# KiCad board sandevistan44_left.kicad_pcb
title: Sandevistan44; date: 2025-05-21; rev: 0.0.1; company: islathehut; note: Left Side
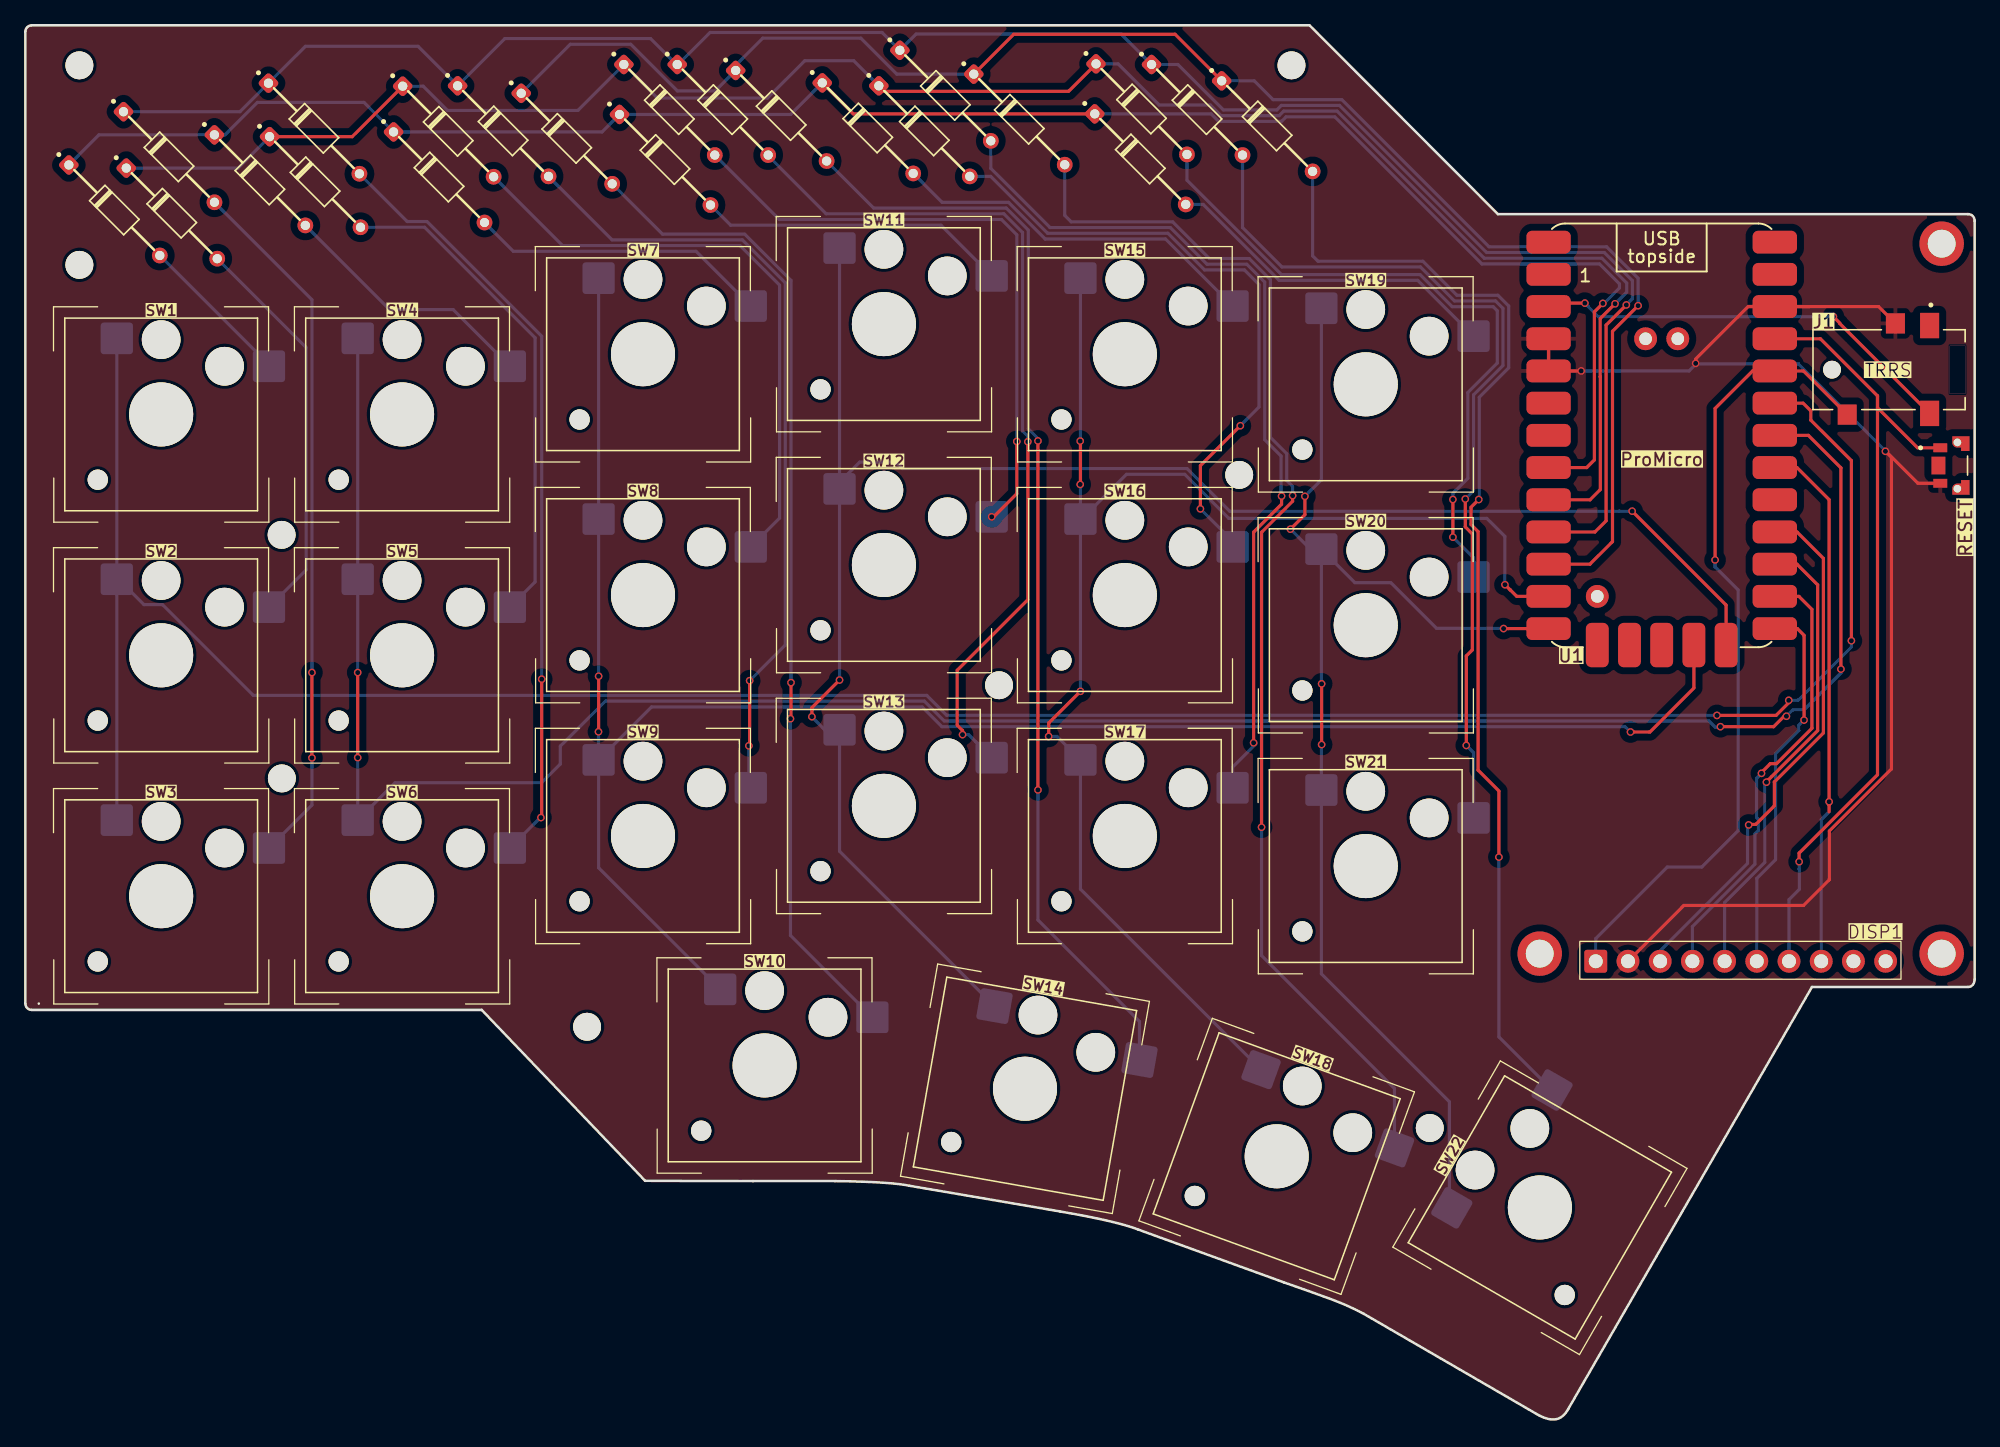
[diagram p0: board, top side]
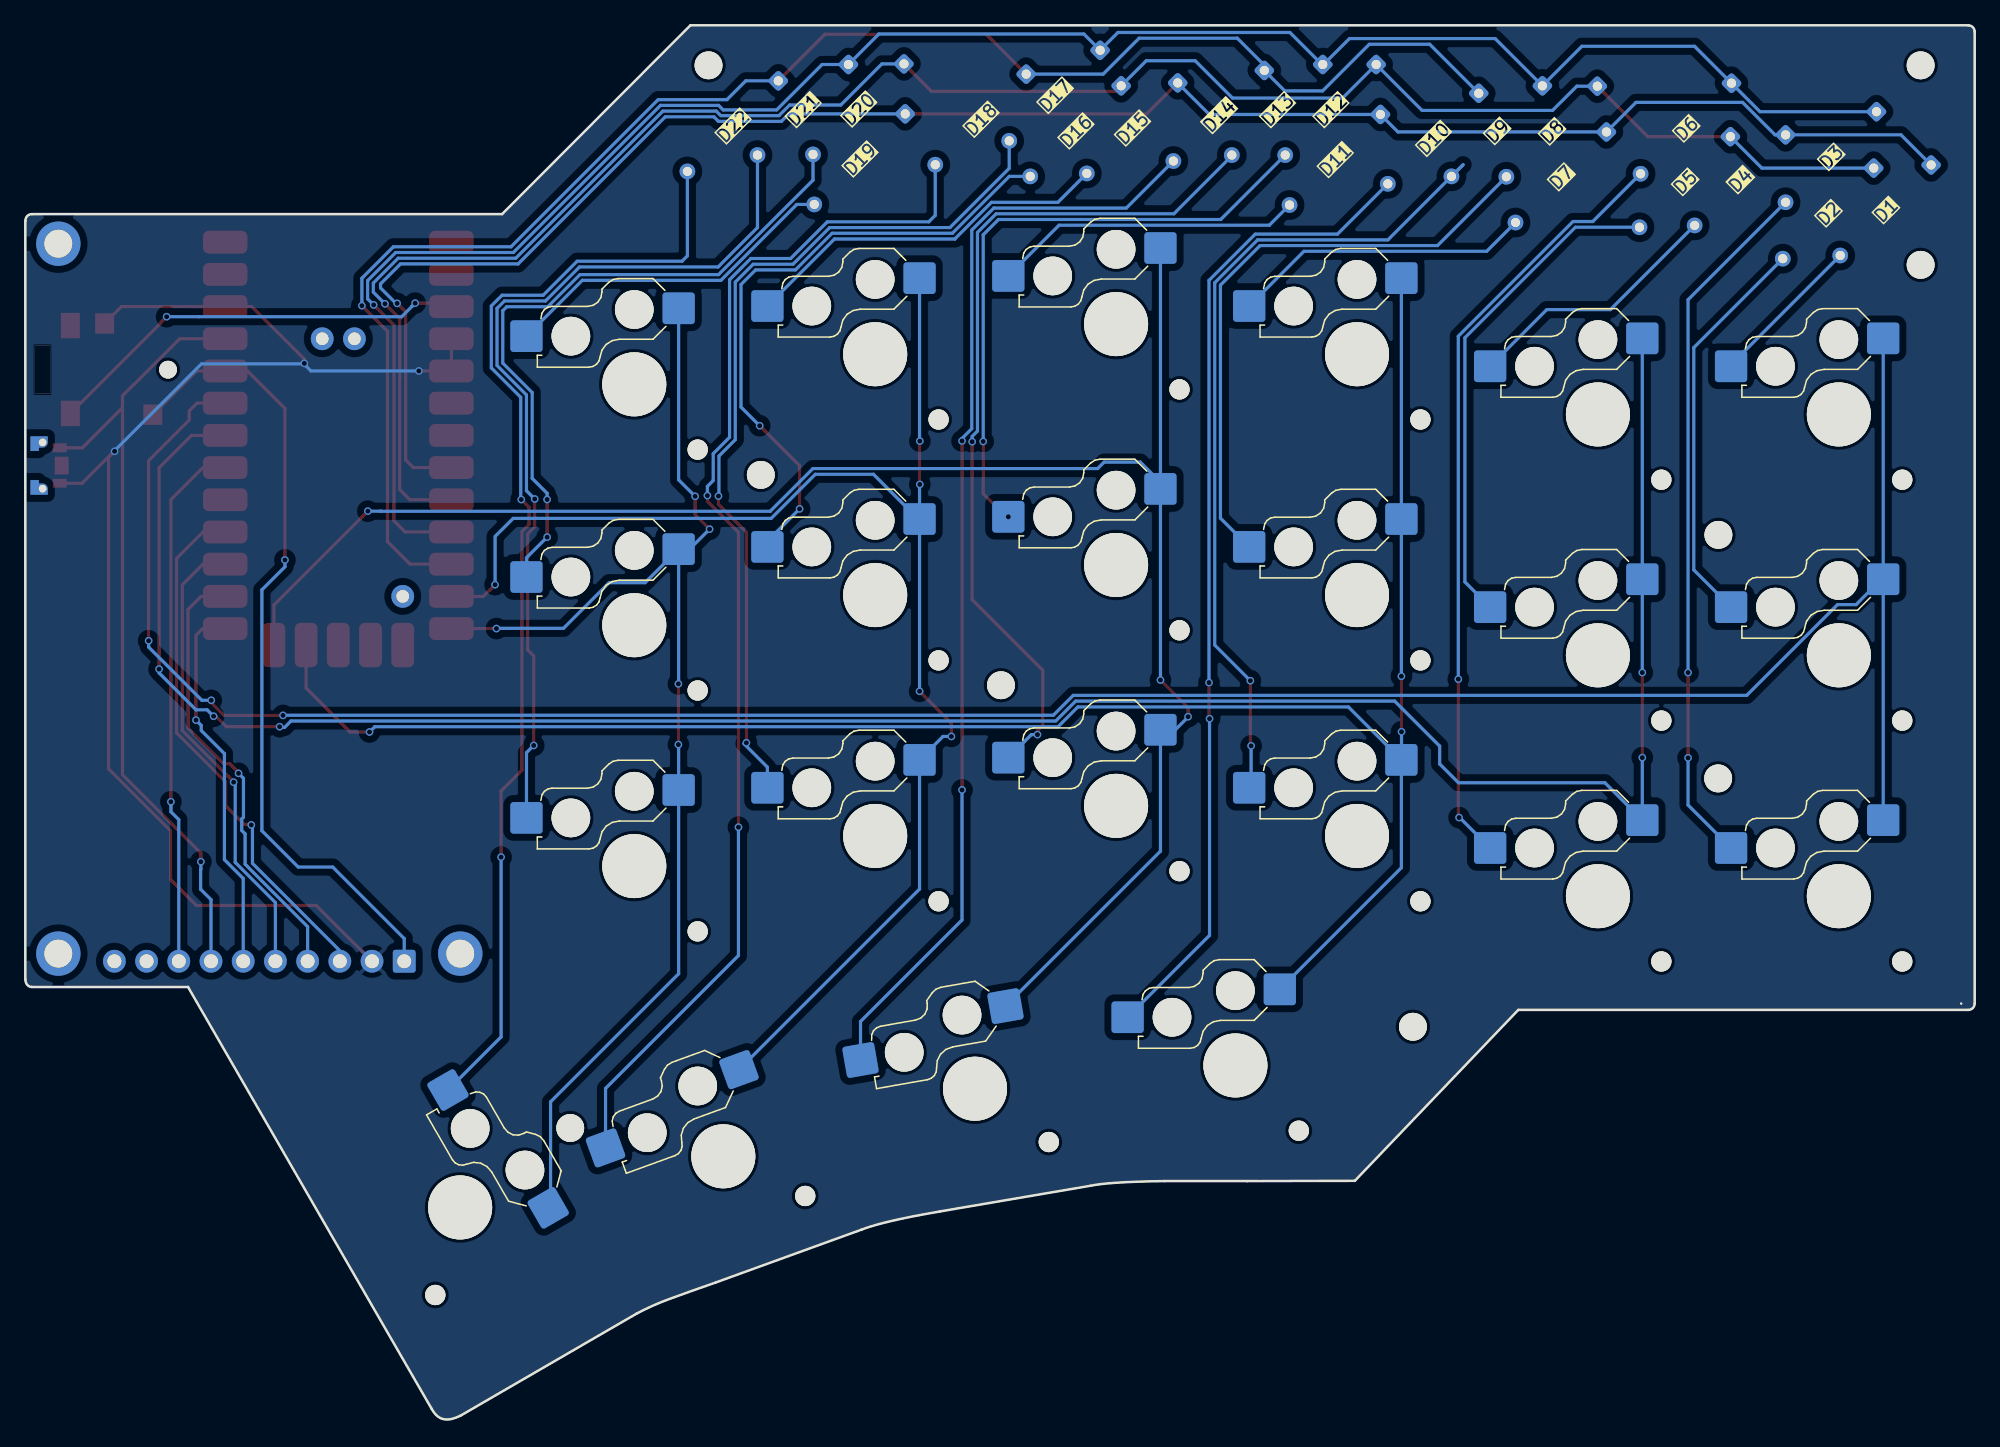
[diagram p1: board, bottom side, seen from below]

Outline 153.73 x 110.14 mm; copper layers: Top, Bottom. Coordinates in mm from the lower left corner of the outline.
Outline path: 0,109.64 0,32.98 ; 0.5,110.14 101.28,110.14 116.13,95.25 153.2,95.25 ; 0.5,32.48 35.99,32.48 48.88,19 57.38,18.98 63.87,18.98 ; 81.62,16.58 69.72,18.61 ; 99.28,10.98 87.77,15.15 ; 119.42,0.47 105.55,8.51 ; 121.69,1.01 140.9,34.29 153.22,34.29 ; 153.73,34.9 153.73,94.71
Stack: Top 0.035mm / dielectric 1.51mm FR4 er 4.5 / Bottom 0.035mm

## Placement (name value [footprint] x y rotation side)
D1  D  [TH 1N4148 Diode (long)]  7.02 95.57 315 top
D2  D  [TH 1N4148 Diode (long)]  11.55 95.32 315 top
D3  D  [TH 1N4148 Diode (long)]  11.33 99.77 315 top
D4  D  [TH 1N4148 Diode (long)]  18.5 97.94 315 top
D5  D  [TH 1N4148 Diode (long)]  22.85 97.8 315 top
D6  D  [TH 1N4148 Diode (long)]  22.76 102.02 315 top
D7  D  [TH 1N4148 Diode (long)]  32.63 98.17 315 top
D8  D  [TH 1N4148 Diode (long)]  33.35 101.78 315 top
D9  D  [TH 1N4148 Diode (long)]  37.68 101.81 315 top
D10  D  [TH 1N4148 Diode (long)]  42.7 101.22 315 top
D11  D  [TH 1N4148 Diode (long)]  50.45 99.55 315 top
D12  D  [TH 1N4148 Diode (long)]  50.79 103.49 315 top
D13  D  [TH 1N4148 Diode (long)]  55 103.49 315 top
D14  D  [TH 1N4148 Diode (long)]  59.61 103.02 315 top
D15  D  [TH 1N4148 Diode (long)]  66.44 102.04 315 top
D16  D  [TH 1N4148 Diode (long)]  70.9 101.81 315 top
D17  D  [TH 1N4148 Diode (long)]  72.55 104.61 315 top
D18  D  [TH 1N4148 Diode (long)]  78.39 102.73 315 top
D19  D  [TH 1N4148 Diode (long)]  87.93 99.6 315 top
D20  D  [TH 1N4148 Diode (long)]  88.03 103.54 315 top
D21  D  [TH 1N4148 Diode (long)]  92.41 103.49 315 top
D22  D  [TH 1N4148 Diode (long)]  97.93 102.2 315 top
DISP1  DFR0664  [DFR0664_2in_RGB_TFT_Display_3_standoff]  105.02 52.33 180 top
J1  TRRS  [CUI_SJ2-35954A-SMT-TR]  146.98 82.98 180 top
Ref**  Val**  [MountingHole_2.2mm_M2_DIN965]  95.73 74.68 0 top
Ref**#2  Val**  [MountingHole_2.2mm_M2_DIN965]  110.76 23.16 0 top
Ref**#3  Val**  [MountingHole_2.2mm_M2_DIN965]  20.23 50.74 0 top
Ref**#4  Val**  [MountingHole_2.2mm_M2_DIN965]  20.21 69.95 0 top
Ref**#5  Val**  [MountingHole_2.2mm_M2_DIN965]  4.26 91.24 0 top
Ref**#6  Val**  [MountingHole_2.2mm_M2_DIN965]  44.3 31.15 0 top
Ref**#7  Val**  [MountingHole_2.2mm_M2_DIN965]  99.85 106.98 0 top
Ref**#8  Val**  [MountingHole_2.2mm_M2_DIN965]  76.79 58.09 0 top
Ref**#9  95.5931  [MountingHole_2.2mm_M2_DIN965]  4.26 106.98 0 top
RESET  SW_PUSH  [SW_TL6340AF160Q]  152.37 75.42 270 top
SW1  SW_PUSH  [SW_Hotswap_Kailh_Choc_V2_1.00u]  10.71 79.45 0 top
SW2  SW_PUSH  [SW_Hotswap_Kailh_Choc_V2_1.00u]  10.71 60.45 0 top
SW3  SW_PUSH  [SW_Hotswap_Kailh_Choc_V2_1.00u]  10.71 41.45 0 top
SW4  SW_PUSH  [SW_Hotswap_Kailh_Choc_V2_1.00u]  29.71 79.45 0 top
SW5  SW_PUSH  [SW_Hotswap_Kailh_Choc_V2_1.00u]  29.71 60.45 0 top
SW6  SW_PUSH  [SW_Hotswap_Kailh_Choc_V2_1.00u]  29.71 41.45 0 top
SW7  SW_PUSH  [SW_Hotswap_Kailh_Choc_V2_1.00u]  48.71 84.2 0 top
SW8  SW_PUSH  [SW_Hotswap_Kailh_Choc_V2_1.00u]  48.71 65.2 0 top
SW9  SW_PUSH  [SW_Hotswap_Kailh_Choc_V2_1.00u]  48.71 46.2 0 top
SW10  SW_PUSH  [SW_Hotswap_Kailh_Choc_V2_1.00u]  58.3 28.1 0 top
SW11  SW_PUSH  [SW_Hotswap_Kailh_Choc_V2_1.00u]  67.71 86.57 0 top
SW12  SW_PUSH  [SW_Hotswap_Kailh_Choc_V2_1.00u]  67.71 67.57 0 top
SW13  SW_PUSH  [SW_Hotswap_Kailh_Choc_V2_1.00u]  67.71 48.57 0 top
SW14  SW_PUSH  [SW_Hotswap_Kailh_Choc_V2_1.00u]  78.84 26.26 350 top
SW15  SW_PUSH  [SW_Hotswap_Kailh_Choc_V2_1.00u]  86.71 84.2 0 top
SW16  SW_PUSH  [SW_Hotswap_Kailh_Choc_V2_1.00u]  86.71 65.2 0 top
SW17  SW_PUSH  [SW_Hotswap_Kailh_Choc_V2_1.00u]  86.71 46.2 0 top
SW18  SW_PUSH  [SW_Hotswap_Kailh_Choc_V2_1.00u]  98.69 20.93 340 top
SW19  SW_PUSH  [SW_Hotswap_Kailh_Choc_V2_1.00u]  105.71 81.82 0 top
SW20  SW_PUSH  [SW_Hotswap_Kailh_Choc_V2_1.00u]  105.71 62.82 0 top
SW21  SW_PUSH  [SW_Hotswap_Kailh_Choc_V2_1.00u]  105.71 43.82 0 top
SW22  SW_PUSH  [SW_Hotswap_Kailh_Choc_V2_1.25u]  119.44 16.9 60 top
U1  ProMicro  [Helios_AC]  129.05 76.53 0 top

## Library data of the parts
D1-D22 = -: Description: Diode; Sim.Pins: 1=K 2=A; ki_fp_filters: TO-???* *_Diode_* *SingleDiode* D_*
DISP1 = -: Description: Generic connector, single row, 01x10, script generated (kicad-library-utils/schlib/autogen/connector/); ki_fp_filters: Connector*:*_1x??_*
J1 = -: MF: Same Sky; MAXIMUM_PACKAGE_HEIGHT: 5 mm; Package: None; Price: None; Check_prices: https://www.snapeda.com/parts/SJ2-35954A-SMT-TR/Same+Sky/view-part/?ref=eda; STANDARD: Manufacturer Recommendations; PARTREV: 1.04; SnapEDA_Link: https://www.snapeda.com/parts/SJ2-35954A-SMT-TR/Same+Sky/view-part/?ref=snap; MP: SJ2-35954A-SMT-TR; Description_1: 3.5 mm, Stereo, Right Angle, Surface Mount (SMT), 4 Conductors, 0 Internal Switches, Audio Jack Connector; Availability: In Stock; MANUFACTURER: CUI Devices
RESET = -: PARTREV: 10.23.2019; STANDARD: Manufacturer Recommendations; SNAPEDA_PN: TL6340AF160Q; MAXIMUM_PACKAGE_HEIGHT: 1.55mm; MANUFACTURER: E-Swtich
U1 = -: Datasheet: https://github.com/0xCB-dev/0xCB-Helios; Description: Symbol for an 0xCB Helios

## Footprints (pads in the part's own frame, mm; a bottom-side part is the same pattern mirrored in y, then rotated)
CUI_SJ2-35954A-SMT-TR
  round 1.4 hole 1.4 unplated: (4.5,0)
  rect 1.5x2 smd: 1(-3.2,-3.48) 4(-3.2,3.45)
  rect 1.5x1.6 smd: 2(3.3,3.55) 3(-0.5,-3.65)
DFR0664_2in_RGB_TFT_Display_3_standoff
  rrect 1.8x1.8 hole 1.1: 1(-18.83,16.01)
  round 1.8 hole 1.1: 2(-21.37,16.01) 3(-23.91,16.01) 4(-26.45,16.01) 5(-28.99,16.01) 6(-31.53,16.01) 7(-34.07,16.01) 8(-36.61,16.01) 9(-39.15,16.01) 10(-41.69,16.01)
  round 3.5 hole 2.2: NPTH(-46.11,15.41) NPTH(-46.11,-40.59) NPTH(-14.41,15.41)
Helios_AC
  rrect 3.5x1.8 smd: 1(-8.92,13.97) 2(-8.92,11.43) 3(-8.92,8.89) 4(-8.92,6.35) 5(-8.92,3.81) 6(-8.92,1.27) 7(-8.92,-1.27) 8(-8.92,-3.81) 9(-8.92,-6.35) 10(-8.92,-8.89) 11(-8.92,-11.43) 12(-8.92,-13.97) 13(8.92,13.97) 14(8.92,11.43) 15(8.92,8.89) 16(8.92,6.35) 17(8.92,3.81) 18(8.92,1.27) 19(8.92,-1.27) 20(8.92,-3.81) 21(8.92,-6.35) 22(8.92,-8.89) 23(8.92,-11.43) 24(8.92,-13.97) 30(8.92,16.51) 31(-8.92,16.51)
  rrect 1.8x3.5 smd: 25(-5.08,-15.27) 26(-2.54,-15.27) 27(0,-15.27) 28(2.54,-15.27) 29(5.08,-15.27)
  round 1.8 hole 1: 32(-1.27,8.89) 33(1.27,8.89) 34(-5.08,-11.43)
MountingHole_2.2mm_M2_DIN965
  round 2.2 hole 2.2 unplated: (0,0)
SW_Hotswap_Kailh_Choc_V2_1.00u
  round 1.6 hole 1.6 unplated: (-5,-5.15)
  round 3.05 hole 3.05 unplated: (0,5.9) (5,3.8)
  round 5.05 hole 5.05 unplated: (0,0)
  rrect 2.55x2.5 smd far side: 1(-3.5,6) 2(8.5,3.8)
SW_Hotswap_Kailh_Choc_V2_1.25u
  round 1.6 hole 1.6 unplated: (-5,-5.15)
  round 3.05 hole 3.05 unplated: (0,5.9) (5,3.8)
  round 5.05 hole 5.05 unplated: (0,0)
  rrect 2.55x2.5 smd far side: 1(-3.5,6) 2(8.5,3.8)
SW_TL6340AF160Q
  rect 0.7x1.1 smd: 1(-1.4,-1.35) 2(1.4,-1.35)
  custom 1.16x1.36 hole 0.6: SH1(-1.825,0) SH2(1.825,0)
  rect 1.4x1.1 smd: SH3(0,-1.5)
TH 1N4148 Diode (long)
  rrect 1.238x1.238 hole 0.73: 1(-5.053,-0.02)
  round 1.238 hole 0.73: 2(5.07,0)

## Nets
GND: DISP1.2 J1.3 RESET.2 U1.3 U1.4 U1.14
VCC: DISP1.1 J1.2 U1.16
col0: SW1.1 SW2.1 SW3.1 U1.17
col1: SW4.1 SW5.1 SW6.1 U1.18
col2: SW7.1 SW8.1 SW9.1 SW10.1 U1.28
col3: SW11.1 SW12.1 SW13.1 SW14.1 U1.29
col4: SW15.1 SW16.1 SW17.1 SW18.1 U1.11
col5: SW19.1 SW20.1 SW21.1 SW22.1 U1.12
data: J1.4 U1.2
GPIO_AD1: U1.20
GPIO_AD2: DISP1.8 U1.19
MISO: DISP1.5 U1.22
MOSI: DISP1.4 U1.23
reset: DISP1.7 RESET.1 U1.15
row0: D1.1 D4.1 D7.1 D11.1 D15.1 D19.1 U1.7
row1: D2.1 D5.1 D8.1 D12.1 D16.1 D20.1 U1.8
row2: D3.1 D6.1 D9.1 D13.1 D17.1 D21.1 U1.9
row3: D10.1 D14.1 D18.1 D22.1 U1.10
SCL: U1.6
SCLK: DISP1.3 U1.21
SDA: U1.5
SPI_CS: DISP1.6 U1.24
Net-(D1-A): D1.2 SW1.2
Net-(D2-A): D2.2 SW2.2
Net-(D3-A): D3.2 SW3.2
Net-(D4-A): D4.2 SW4.2
Net-(D5-A): D5.2 SW5.2
Net-(D6-A): D6.2 SW6.2
Net-(D7-A): D7.2 SW7.2
Net-(D8-A): D8.2 SW8.2
Net-(D9-A): D9.2 SW9.2
Net-(D10-A): D10.2 SW10.2
Net-(D11-A): D11.2 SW11.2
Net-(D12-A): D12.2 SW12.2
Net-(D13-A): D13.2 SW13.2
Net-(D14-A): D14.2 SW14.2
Net-(D15-A): D15.2 SW15.2
Net-(D16-A): D16.2 SW16.2
Net-(D17-A): D17.2 SW17.2
Net-(D18-A): D18.2 SW18.2
Net-(D19-A): D19.2 SW19.2
Net-(D20-A): D20.2 SW20.2
Net-(D21-A): D21.2 SW21.2
Net-(D22-A): D22.2 SW22.2

Pads without a net: DISP1 9 10 NPTH; J1 1; RESET SH1 SH2 SH3; U1 1 13 25 26 27 30 31 32 33 34

## Via types
v1: diameter 0.6, hole 0.4, Top to Bottom, 66 vias

## Routing (per net, layer and track width the routed paths; a pad name or vN(x,y) marks a point on that pad's centre or on a via; arc(x,y) is an arc through that point)
GND: length 112.8
  Top w0.25: U1.3 U1.4 122.7,82.88 v1(122.7,82.88) ; U1.14 146.15,87.96 J1.3 ; RESET.2 149.26,74.02 146.74,76.54 v1(146.69,76.54) 147.17,76.06 147.17,51.49 142.27,46.59 142.27,42.75 140.24,40.72 130.79,40.72 126.8,36.73 ; 140.73,87.96 135.87,87.96 131.73,83.82 v1(131.73,83.47)
  Bottom w0.25: 146.74,76.54 v1(146.69,76.54) 146.69,76.58 139.84,83.44 131.77,83.44 ; v1(131.73,83.47) 131.73,83.4 131.21,82.88 v1(122.7,82.88)
VCC: length 63
  Top w0.25: J1.2 140.23,82.88 U1.16 136.22,82.88 133.26,79.92 v1(133.26,67.97)
  Bottom w0.25: v1(133.26,67.97) 133.26,67.43 135.08,65.61 135.08,46.62 132.21,43.75 129.49,43.75 123.85,38.11 123.85,36.95
col0: length 204.5
  Top w0.25: U1.17 140.2,80.34 140.81,79.72 140.81,79 144.01,75.8 v1(144.01,61.6) ; v1(133.41,55.71) 138.07,55.71 139.07,56.71 v1(139.07,56.9)
  Bottom w0.25: v1(133.41,55.71) 133.4,55.72 72.66,55.72 71.09,57.29 17.97,57.29 10.81,64.45 9.35,64.45 7.35,66.45 ; v1(139.07,56.9) 139.81,56.9 144.01,61.1 v1(144.01,61.6) ; SW1.1 SW3.1
col1: length 184.8
  Top w0.25: v1(26.21,52.38) v1(26.21,59.09) ; v1(133.68,54.82) 137.88,54.82 138.7,55.64 v1(138.89,55.64) ; U1.18 140.62,77.8 143.19,75.23 v1(143.19,59.36)
  Bottom w0.25: v1(143.19,59.36) 143.19,59.06 140.27,56.15 139.39,56.15 v1(138.89,55.64) ; v1(26.21,59.09) SW5.1 SW4.1 ; v1(26.21,52.38) SW6.1 29.16,50.4 40.71,50.4 42.19,51.88 42.19,53.29 45.74,56.84 70.9,56.84 72.47,55.27 132.78,55.27 133.29,54.76 133.62,54.76 v1(133.68,54.82)
col2: length 153.8
  Top w0.25: v1(126.59,54.4) 128.12,54.4 131.59,57.87 U1.28 ; v1(45.2,54.42) 45.21,54.43 v1(45.21,58.8)
  Bottom w0.25: SW10.1 45.21,43.69 SW9.1 49.39,56.37 70.73,56.37 72.28,54.82 126.17,54.82 v1(126.59,54.4) ; SW7.1 SW8.1 v1(45.21,58.8) ; v1(45.2,54.42) 45.2,52.21
col3: length 146.5
  Top w0.25: v1(126.72,71.82) 134.13,64.41 U1.29 ; 62.03,55.63 v1(62.03,55.61) 62.03,56.32 v1(64.21,58.5)
  Bottom w0.25: 62.05,55.56 63.03,54.57 SW13.1 64.21,45 SW14.1 ; 126.64,71.9 v1(126.72,71.82) 125.71,71.82 125.7,71.81 94.99,71.81 91.62,75.18 69.16,75.18 68.65,75.69 65.8,75.69 64.21,74.1 SW12.1 ; SW12.1 v1(64.21,58.5) 64.14,58.43 ; SW12.1 SW11.1
col4: length 115.3
  Top w0.25: v1(83.21,57.61) 80.71,55.11 80.71,54.06 v1(80.7,54.05) ; v1(83.19,73.93) 83.21,73.95 83.21,77.33 v1(83.19,77.35) ; U1.11 117.62,65.1 117.1,65.61 117.09,65.61 v1(116.69,66.02)
  Bottom w0.25: 83.31,71.2 86.84,74.73 91.43,74.73 94.91,71.25 115.26,71.25 116.68,69.83 116.68,66.12 116.69,66.11 v1(116.69,66.02) ; v1(83.21,57.61) SW16.1 83.21,73.91 v1(83.19,73.93) ; v1(83.19,77.35) 83.21,77.37 SW15.1 ; SW18.1 83.21,42.01 SW17.1 81.36,54.05 v1(80.7,54.05)
col5: length 97.2
  Top w0.25: v1(99.77,70.4) 100.91,71.54 v1(100.91,72.99) ; v1(102.23,58.2) v1(102.23,53.41) ; v1(116.58,62.56) 116.95,62.56 116.95,62.56 U1.12
  Bottom w0.25: v1(102.23,58.2) 102.21,58.22 SW20.1 104.86,66.18 107.69,66.18 111.29,62.58 116.56,62.58 v1(116.58,62.56) ; v1(102.23,53.41) 102.21,53.39 102.21,35.33 112.31,25.23 112.31,17.05 ; v1(100.91,72.99) 102.21,74.29 SW19.1 ; v1(99.77,70.4) 101.34,68.82
data: length 33.4
  Top w0.25: v1(122.99,88.23) 120.4,88.23 ; v1(142.59,87.16) 143.09,86.66 143.09,86.62 J1.4
  Bottom w0.25: v1(142.59,87.16) 140.05,87.16 140.05,87.16 124.05,87.16 123.25,87.96 123.25,87.97 v1(122.99,88.23)
GPIO_AD2: length 42.8
  Top w0.25: U1.19 139.72,75.26 142.25,72.72 v1(142.25,48.9) 142.25,48.65 142.25,48.65 142.25,48.11
  Bottom w0.25: DISP1.8 141.63,47.49 142.25,48.11 142.25,48.65 142.25,48.65 v1(142.25,48.9)
MISO: length 36
  Top w0.25: 137.46,50.62 137.48,50.62 137.48,50.64 141.35,54.51 141.35,66 139.72,67.64 U1.22
  Bottom w0.25: v1(137.31,50.44) 137.18,50.31 137.18,44.12 134.01,40.95 134.01,36.91
MOSI: length 34.8
  Top w0.25: v1(136.92,51.14) 136.92,51.21 137.61,51.9 138.1,51.9 140.9,54.7 140.9,64.07 139.87,65.1 U1.23
  Bottom w0.25: 131.47,36.91 131.47,39.04 136.4,43.97 136.4,46.37 136.67,46.64 136.67,47.54 136.53,47.68 136.53,50.75 v1(136.92,51.14)
reset: length 64.1
  Top w0.25: 146.07,80.91 146.07,51.03 139.89,44.85 v1(139.89,44.17) ; 146.07,80.91 141.57,85.42 U1.15 ; 146.07,80.91 146.07,79.98 149.23,76.82 RESET.1
  Bottom w0.25: 139.09,36.91 139.09,41.18 139.91,42 139.91,43.57 139.89,43.59 v1(139.89,44.17)
row0: length 152.4
  Top w0.25: D19.1 65.29,103.16 D15.1 ; U1.7 123.14,75.26 123.74,75.86 123.74,87.54 v1(124.41,88.21)
  Bottom w0.25: D15.1 60.36,103.11 D11.1 45.48,101.73 D7.1 26.71,104.06 18.3,104.06 15.74,101.5 D4.1 5.8,101.5 D1.1 ; v1(124.41,88.21) 124.5,88.21 125.72,89.43 125.72,89.74 124.15,91.32 114.87,91.32 103.26,102.92 99.43,102.92 99.07,102.56 94.11,102.56 93.52,103.16 D19.1
row1: length 156.5
  Top w0.25: U1.8 123.4,72.72 124.21,73.53 124.21,82.41 124.2,82.42 124.2,87.01 v1(125.37,88.18) ; D8.1 25.78,101.36 D5.1 ; D16.1 67.75,104.93 82.27,104.93 D20.1
  Bottom w0.25: D20.1 86.18,107.1 89.42,103.86 93.45,103.86 94.29,103.02 98.88,103.02 99.24,103.37 103.45,103.37 115.06,91.77 124.33,91.77 126.29,89.81 126.29,89.09 v1(125.37,88.18) ; D2.1 16.78,98.88 D5.1 ; D8.1 31.38,105.34 33.29,103.43 43.58,103.43 D12.1 49.84,104.41 58.53,104.41 61.47,107.35 65.33,107.35 D16.1
row2: length 160.1
  Top w0.25: v1(126.26,88.09) 124.66,86.49 124.66,71.06 123.78,70.18 U1.9
  Bottom w0.25: v1(126.26,88.09) 126.74,88.57 126.74,90 124.52,92.22 115.24,92.22 103.64,103.83 99.05,103.83 98.7,103.47 94.48,103.47 90.9,107.05 D21.1 86.41,109.46 70.25,109.46 D17.1 67.56,109.58 54,109.58 51.41,106.99 49.3,109.1 37.82,109.1 D9.1 30.97,108.49 22.09,108.49 D6.1 16.93,103.33 D3.1
row3: length 130.6
  Top w0.25: D22.1 90.67,109.44 77.95,109.44 D18.1 ; U1.10 123.39,67.64 125.17,69.42 125.17,86.01 v1(127.19,88.03)
  Bottom w0.25: D14.1 54.41,104.97 51.42,104.97 47.74,108.65 42.97,108.65 D10.1 ; D18.1 68.73,106.29 65.89,109.13 58.15,109.13 56.02,106.99 ; D22.1 96.92,105.76 98.4,104.28 103.83,104.28 115.43,92.67 124.71,92.67 127.19,90.19 v1(127.19,88.03)
SCLK: length 41.6
  Top w0.25: v1(135.91,47.07) 135.95,47.11 136.47,47.11 137.94,48.58 137.94,50.45 137.93,50.45 141.8,54.32 141.8,68.09 139.72,70.18 U1.21
  Bottom w0.25: 128.81,37.03 135.82,44.04 135.82,47.11 135.87,47.11 v1(135.91,47.07)
SPI_CS: length 29.2
  Top w0.25: v1(140.28,55.34) 140.28,62.02 139.74,62.56 U1.24
  Bottom w0.25: 136.55,36.91 136.55,42.85 138.03,44.33 138.03,52.69 139.86,54.52 139.86,54.92 v1(140.28,55.34)
Net-(D1-A): length 12.2
  Bottom w0.25: D1.2 19.21,83.38
Net-(D2-A): length 31.6
  Bottom w0.25: D2.2 22.15,84.72 22.15,67.19 SW2.2
Net-(D3-A): length 55.5
  Top w0.25: v1(22.6,59.09) v1(22.6,52.36)
  Bottom w0.25: v1(22.6,59.09) 22.6,88.49 D3.2 ; v1(22.6,52.36) 22.6,48.64 SW3.2
Net-(D4-A): length 20.7
  Bottom w0.25: D4.2 28.72,87.72 33.74,87.72 SW4.2
Net-(D5-A): length 39.5
  Bottom w0.25: SW5.2 40.2,66.24 40.2,85.5 31.48,94.21 D5.2
Net-(D6-A): length 61.1
  Top w0.25: v1(40.72,58.57) 40.72,47.75 40.66,47.69 v1(40.66,47.65)
  Bottom w0.25: D6.2 30.11,94.66 31.67,94.66 40.72,85.62 v1(40.72,58.57) ; v1(40.66,47.65) 40.61,47.65 SW6.2
Net-(D7-A): length 23.7
  Bottom w0.25: D7.2 38.48,92.32 52.89,92.32 SW7.2
Net-(D8-A): length 47.7
  Bottom w0.25: SW8.2 59.48,71.27 59.48,89.65 56.36,92.77 42.36,92.77 D8.2
Net-(D9-A): length 65.6
  Top w0.25: v1(57.06,53.31) 57.12,53.37 v1(57.12,58.45)
  Bottom w0.25: v1(57.06,53.31) 57.06,50.15 ; D9.2 40.35,99.14 46.27,93.22 56.55,93.22 59.93,89.83 59.93,61.26 v1(57.12,58.45)
Net-(D10-A): length 78.1
  Top w0.25: v1(60.38,58.29) 60.38,55.49 v1(60.34,55.45)
  Bottom w0.25: SW10.2 60.34,38.36 v1(60.34,55.45) ; D10.2 50.25,93.67 56.73,93.67 60.38,90.02 v1(60.38,58.29)
Net-(D11-A): length 24.5
  Bottom w0.25: SW11.2 72.21,94.37 55.62,94.37 D11.2
Net-(D12-A): length 49.8
  Top w0.25: v1(76.21,71.37) 76.21,71.24 76.22,71.23 78.19,73.2 v1(78.19,77.32)
  Bottom w0.25: D12.2 59.45,94.82 76.98,94.82 78.19,93.62 v1(78.19,77.32)
Net-(D13-A): length 67.9
  Top w0.25: v1(73.91,54.19) 73.91,54.52 73.49,54.94 73.49,59.27 79.06,64.84 v1(79.06,77.3)
  Bottom w0.25: v1(73.91,54.19) 74.39,54.19 74.95,53.63 74.95,53.63 SW13.2 ; v1(79.06,77.3) 79.06,77.72 78.64,78.14 78.64,93.8 77.17,95.28 63.15,95.28 58.58,99.84
Net-(D14-A): length 87.3
  Top w0.25: v1(79.86,49.83) v1(79.86,77.36)
  Bottom w0.25: SW14.2 87.87,31.56 79.86,39.57 v1(79.86,49.83) ; v1(79.86,77.36) 79.85,77.36 79.85,77.56 79.09,78.32 79.09,93.99 77.36,95.73 66.9,95.73 D14.2
Net-(D15-A): length 29.5
  Bottom w0.25: D15.2 72.3,96.18 77.54,96.18 80.42,93.3 80.42,93.29 89.92,93.29 SW15.2
Net-(D16-A): length 49.5
  Top w0.25: v1(95.82,78.56) 92.67,75.41 v1(92.67,72)
  Bottom w0.25: v1(95.82,78.56) 97.29,80.03 97.29,89.7 96.14,90.85 93,90.85 90.11,93.74 80.62,93.74 76.13,98.23 D16.2 ; 95.21,69.46 v1(92.67,72)
Net-(D17-A): length 69.8
  Top w0.25: v1(99.07,73.01) 99.07,72.37 96.87,70.16 v1(96.87,53.55)
  Bottom w0.25: D17.2 76.14,98.86 80.81,94.19 90.3,94.19 93.19,91.3 96.33,91.3 97.74,89.88 97.74,77.45 99.03,76.16 99.03,73.01 v1(99.07,73.01) ; SW17.2 95.21,51.63 97.05,53.47 96.95,53.47 v1(96.87,53.55)
Net-(D18-A): length 96.9
  Top w0.25: v1(99.94,73.05) 99.94,72.6 97.49,70.15 v1(97.49,46.89)
  Bottom w0.25: v1(99.94,73.05) 99.94,73.78 99.48,74.24 99.48,76.35 98.19,77.64 98.19,90.07 96.51,91.75 93.37,91.75 90.48,94.64 82.48,94.64 81.97,95.15 D18.2 ; v1(97.49,46.89) 97.49,36.77 107.97,26.28 SW18.2
Net-(D19-A): length 27
  Bottom w0.25: D19.2 92.89,96.01 98.87,90.03 109.81,90.03 SW19.2
Net-(D20-A): length 53.9
  Top w0.25: v1(112.58,69.77) v1(112.58,72.74)
  Bottom w0.25: v1(112.58,69.77) 114.21,68.14 SW20.2 ; v1(112.58,72.74) 112.58,73.23 113.76,74.41 113.76,81.18 116.08,83.5 116.08,87.63 115.76,87.95 112.52,87.95 109.99,90.48 99.06,90.48 91.61,97.93 D20.2
Net-(D21-A): length 71
  Top w0.25: v1(113.56,72.78) 113.56,70.58 114.12,70.02 114.12,60.87 113.64,60.4 v1(113.64,53.34)
  Bottom w0.25: v1(113.56,72.78) 114.21,73.43 114.21,80.99 116.53,83.31 116.53,87.81 115.95,88.4 112.71,88.4 110.03,91.08 99.1,91.08 95.99,94.19 D21.2 ; SW21.2 114.21,52.77 v1(113.64,53.34)
Net-(D22-A): length 89.5
  Top w0.25: v1(114.62,72.74) 114.01,72.13 114.01,70.76 114.57,70.21 114.57,51.39 116.21,49.75 v1(116.21,44.53)
  Bottom w0.25: v1(114.62,72.74) 114.66,72.78 114.66,80.8 116.98,83.12 116.98,88 116.13,88.85 112.9,88.85 110.21,91.53 101.94,91.53 101.52,91.95 D22.2 ; v1(116.21,44.53) 116.21,30.35 SW22.2

## Copper pours and planes (outline as drawn; the poured copper is in the pictures)
GND on Top: -15.47,118.54 161.01,118.54 161.01,-0.14 159.6,-1.55 -13.13,-1.55 -15.78,1.1 -15.78,118.23
GND on Bottom: -15.47,117.61 161.01,117.61 161.01,-1.07 159.6,-2.48 -13.13,-2.48 -15.78,0.17 -15.78,117.3
